# KiCad board nkc70_22.kicad_pcb (continued)
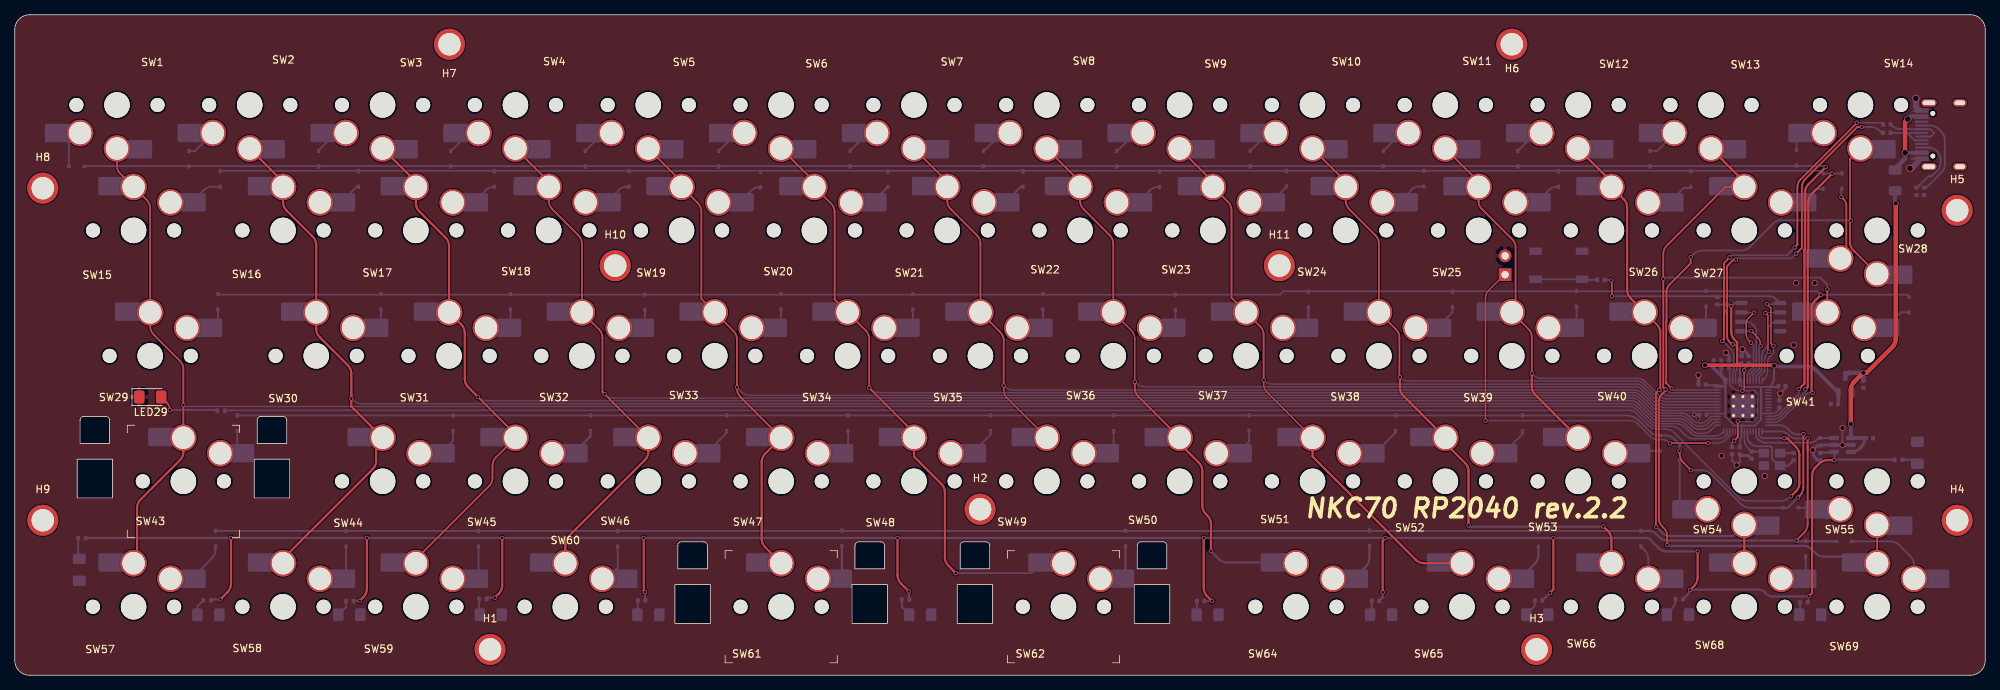
[diagram p0: board, top side]
## Routing (per net, layer and track width the routed paths; a pad name or vN(x,y) marks a point on that pad's centre or on a via; arc(x,y) is an arc through that point) (continued)
Net-(J2-CC1): length 11.9
  Bottom w0.25: J2.A5 259.54,74.49 arc(260.16,74.37) 260.68,74.03 261.05,73.65 arc(261.4,73.13) 261.52,72.52 261.52,69.24 arc(261.4,68.63) 261.05,68.11 259.02,66.08 R4.2 258.77,66.08
Net-(J2-CC2): length 8.8
  Bottom w0.25: J2.B5 259.33,71.49 arc(259.95,71.37) 260.47,71.03 260.49,71 arc(260.84,70.48) 260.96,69.87 260.96,69.53 arc(260.84,68.92) 260.49,68.4 259.71,67.62 259.31,67.62 257.77,66.08 R5.2
Net-(J2-D+-PadA6): length 6.7
  Bottom w0.25: R7.2 254.2,73.49 J2.A6 258.4,73.49 ; J2.B6 257.4,72.49 256.4,73.49
Net-(J2-D--PadA7): length 7.9
  Bottom w0.25: R6.2 254.37,74.46 arc(254.89,74.12) 255.5,73.99 J2.B7 ; 258.59,73.98 259.58,73.98 260.1,73.46 259.63,72.98 258.59,72.98
Net-(LED29-A): length 8.8
  Top w0.25: 19.84,37.7 20.61,36.93 arc(20.91,36.49) 21.05,35.98 21.05,35.98 v3(21,35.93)
  Bottom w0.25: 27.47,35.72 27.47,35.78 ; R29.1 27.35,35.95 21.02,35.95 v3(21,35.93)
Net-(LED56-A): length 2.9
  Bottom w0.25: LED56.2 8.59,15.92 R56.1
Net-(LED57-A): length 2.1
  Bottom w0.25: R57.1 24.75,9.33 24.75,8.38
Net-(LED58-A): length 2.3
  Bottom w0.25: R58.1 44.87,9.23 LED58.2
Net-(LED59-A): length 2.1
  Bottom w0.25: 63.02,8.26 62.91,8.37 R59.1
Net-(LED60-A): length 1.9
  Bottom w0.25: R60.1 84.42,8.38 84.36,8.32
Net-(LED61-A): length 2.4
  Bottom w0.25: 121.19,8.31 120.2,9.3 R61.1
Net-(LED63-A): length 1.8
  Bottom w0.25: R63.2 160.18,8.29
Net-(LED64-A): length 1.9
  Bottom w0.25: 183.87,8.45 183.65,8.23
  Bottom w0.3: R64.2 183.87,8.45
Net-(LED66-A): length 2.3
  Bottom w0.25: 204.82,8.27 205.97,9.42 R66.2
Net-(LED67-A): length 2.6
  Bottom w0.25: R67.2 225.04,10.2 arc(224.92,9.59) 224.57,9.07 223.86,8.36 ; 223.92,8.47 223.85,8.4 ; 225.05,10.45 224.94,10.34
Net-(LED68-A): length 1.7
  Bottom w0.25: R68.2 241.92,8.32 LED68.2
Net-(LED69-A): length 2.3
  Bottom w0.25: 257.27,29.2 LED69.2
  Bottom w0.3: R69.2 257.27,29.2
unconnected-(J2-SHIELD-PadS1)_2: length 0
  Top w0.25: 259.37,77.56 259.4,77.53

## Copper pours and planes (outline as drawn; the poured copper is in the pictures)
GND on Top, Bottom: 268.16,-1.69 -1.55,-2.41 -1.7,89.76 -1.76,91.13 268.5,92.95

## Text on the board
B.Silkscreen: RST | BSEL | nkc70_22 | NKC70 RP2040 rev.2.2 | 60% Nicola Keyboard, okiraku-camera.tokyo
F.Silkscreen: NKC70 RP2040 rev.2.2
